# Altium PCB as_x31.PcbDoc (part 5 of 5)
Units mm, origin at the board's own origin, x right, y up, seen from the top; angles counter-clockwise.
Board outline 130 x 100 mm, 6 copper layers (Top Layer, Ground_1, Power_1, Mid_1, Ground_2, Bottom Layer), stack 0.928 mm thick; 402 components, 373 nets, 2529 pads, 1429 vias.
Unrouted connection lines stored in the file: 648.
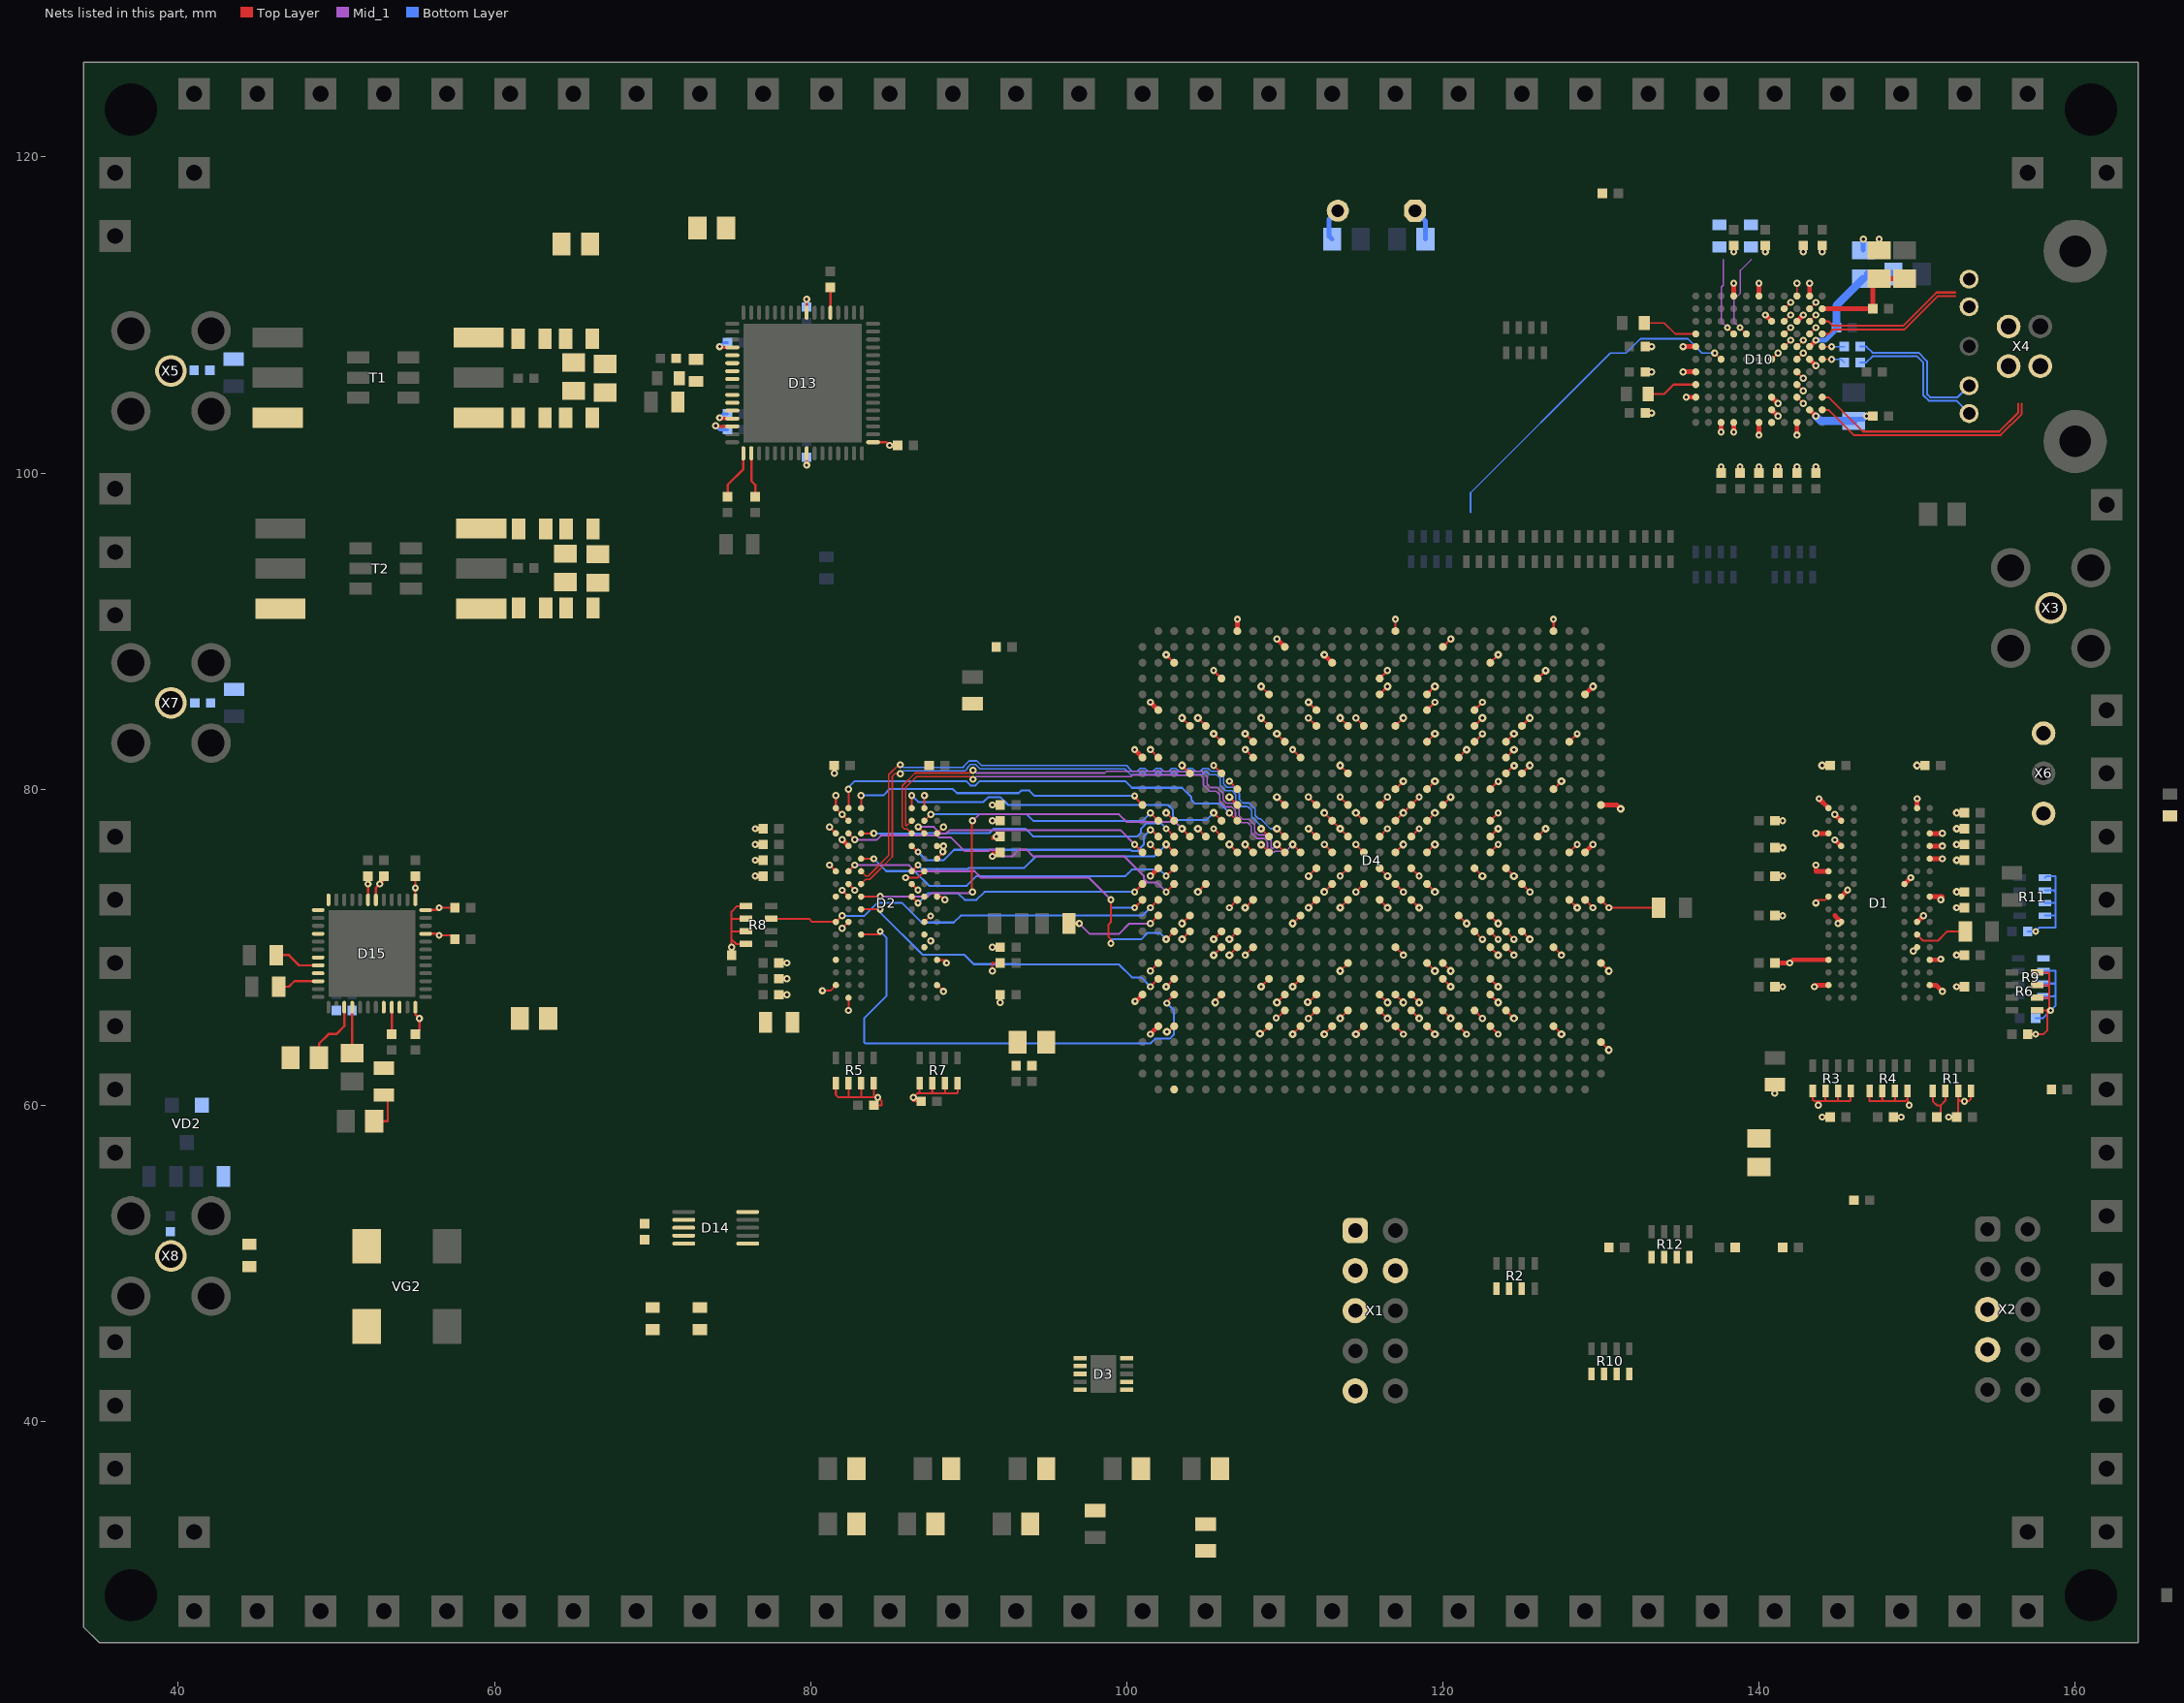
[diagram p8: the nets of this part, all layers, seen from the top]

## Via types
v1: diameter 0.45, hole 0.2, Top Layer to Bottom Layer, 1034 vias
v2: diameter 0.5, hole 0.2, Top Layer to Bottom Layer, 395 vias

## Nets (pads, with @x,y where several pads share a name; then routed paths per layer and width w, separated by ;. In a path a pad name is that pad's centre, name@x,y a point inside that pad or via, vN(x,y) a via of type N, cw(c..) or ccw(c..) an arc to the next point about the centre after c; other vN are vias at no path point) (continued)
DDR1_DQ0: D2.E3 D4.C15 | length 21.3
  Top Layer w0.125: D2.E3@83.2,75.6 v1(84,75.6) ; v1(102.5,74.5) D4.C15@103,75
  Bottom Layer w0.125: v1(84,75.6) 84.787,74.813 86.575,74.813 87.5,73.887 89.887,73.887 90.5,74.5 99.917,74.5 100.087,74.671 100.329,74.912 102.088,74.912 v1(102.5,74.5)
DDR1_DQ1: D2.F7 D4.C16 | length 17.7
  Top Layer w0.125: D2.F7@86.4,74.8 v1(86.8,75.2) ; v2(102.5,76.5) D4.C16@103,76
  Bottom Layer w0.125: v1(86.8,75.2) 87.038,74.962 89.962,74.962 90,75 93.5,75 94.25,75.75 101.75,75.75 v2(102.5,76.5)
DDR1_DQ2: D2.F2 D4.C11 | length 25.4
  Top Layer w0.125: D2.F2@82.4,74.8 v1(82.8,75.2) ; v1(99,70.25) 99,70.5 98.837,70.663 98.837,71.421 99,71.583 v1(99,73) ; v2(102.5,70.5) D4.C11@103,71
  Mid_1 w0.125: v1(82.8,75.2) 83.817,75.2 83.829,75.187 84.171,75.187 85.429,75.188 86.229,75.187 86.629,74.787 86.971,74.787 86.996,74.813 90.371,74.813 90.783,74.4 97.6,74.4 v1(99,73)
  Bottom Layer w0.125: v1(99,70.25) 99,70.5 100.917,70.5 101.329,70.913 102.088,70.913 v2(102.5,70.5)
DDR1_DQ3: D2.F8 D4.A13 | length 3.6
  Top Layer w0.125: v1(86.022,74.4) 86.778,74.4 86.803,74.425 86.803,74.403 D2.F8@87.2,74.8 ; v1(100.5,72.5) D4.A13@101,73
  Bottom Layer w0.125: 99,72.5 v1(100.5,72.5)
DDR1_DQ4: D2.H3 D4.D17 | length 26.3
  Top Layer w0.125: D2.H3@83.2,73.2 84.4,73.2 v1(84.4,73.225) ; v1(90.25,73.5) 90.187,73.563 90.187,77.937 v1(90.25,78) ; v2(103.5,77.5) D4.D17@104,77
  Mid_1 w0.125: v1(84.4,73.225) 84.413,73.212 86.629,73.212 87.429,73.213 87.629,73.412 90.162,73.412 v1(90.25,73.5) ; v1(90.25,78) 90.663,78.413 99.513,78.413 100.012,77.913 103.088,77.913 v2(103.5,77.5)
DDR1_DQ5: D2.H8 D4.E17 | length 0.7
  Top Layer w0.125: v2(104.5,77.5) D4.E17@105,77
DDR1_DQ6: D2.G2 D4.D12 | length 1.3
  Top Layer w0.125: D2.G2@82.4,74 v1(82.8,73.6) ; v2(103.5,71.5) D4.D12@104,72
DDR1_DQ7: D2.H7 D4.A14 | length 15.6
  Top Layer w0.125: D2.H7@86.4,73.2 v1(86.8,72.8) ; v1(100.5,73.5) D4.A14@101,74
  Bottom Layer w0.125: v1(86.8,72.8) 87.412,73.412 89.338,73.412 89.75,73 90.5,73 91,73.5 v1(100.5,73.5)
DDR1_DQ8: D2.D7 D4.B17 | length 17.4
  Top Layer w0.125: D2.D7@86.4,76.4 86.797,76.003 v1(86.797,76.025) ; v1(101.5,77.425) 101.5,77.5 D4.B17@102,77
  Bottom Layer w0.125: v1(86.797,76.025) 87.322,75.5 88.417,75.5 88.779,75.863 89.079,76.162 100.254,76.162 100.329,76.088 100.671,76.088 101.088,76.504 101.088,77.013 v1(101.5,77.425)
DDR1_DQ9: D2.C3 D4.C17 | length 21
  Top Layer w0.125: D2.C3@83.2,77.2 v1(84,77.2) ; v1(102.5,77.5) D4.C17@103,77
  Bottom Layer w0.125: v1(84,77.2) 87.417,77.2 87.429,77.213 88.204,77.213 88.229,77.187 88.571,77.187 88.596,77.212 91.304,77.212 91.591,77.5 93.583,77.5 94.071,77.013 100.671,77.013 100.912,77.254 100.912,77.5 101.25,77.838 102.163,77.838 v1(102.5,77.5)
DDR1_DQ10: D2.C8 D4.A16 | length 15.6
  Top Layer w0.125: v1(86.81,77.612) 87.2,77.222 D2.C8@87.2,77.2 ; v1(100.5,76.5) D4.A16@101,76
  Mid_1 w0.125: v1(86.81,77.612) 87.804,77.612 88.229,77.187 88.571,77.187 88.796,77.413 99.587,77.413 v1(100.5,76.5)
DDR1_DQ11: D2.C2 D4.C14 | length 23.1
  Top Layer w0.125: D2.C2@82.4,77.2 v1(82.8,76.8) ; v1(102.5,73.5) D4.C14@103,74
  Mid_1 w0.125: v1(82.8,76.8) 82.813,76.787 84.171,76.787 84.446,77.063 88,77.063 88.125,76.937 88.891,76.937 89.75,76.078 91.245,76.078 91.329,76.162 91.671,76.162 92.083,75.75 92.75,75.75 93.162,76.162 93.671,76.162 94.083,75.75 99.833,75.75 101.088,74.496 101.088,74.329 101.329,74.087 101.913,74.087 v1(102.5,73.5)
DDR1_DQ12: D2.A7 D4.F18 | length 22
  Top Layer w0.125: D2.A7@86.4,78.8 v1(86.4,79.6) ; v2(105.5,78.5) D4.F18@106,78
  Bottom Layer w0.125: v1(86.4,79.6) 86.813,79.187 90.937,79.187 91.25,79.5 92,79.5 92.5,79 102.619,79 102.938,78.681 102.938,78.187 103.063,78.063 105.063,78.063 v2(105.5,78.5)
DDR1_DQ13: D2.A2 D4.G18 | length 27.4
  Top Layer w0.125: D2.A2@82.4,78.8 v1(82.4,80) ; v1(106.5,78.5) D4.G18@107,78
  Bottom Layer w0.125: v1(82.4,80) 82.4,80.113 82.8,80.513 89.839,80.513 90.114,80.237 90.436,80.237 90.711,80.513 99.904,80.513 100.329,80.088 103.496,80.088 104.088,79.496 104.088,79.329 104.329,79.088 105.913,79.088 v1(106.5,78.5)
DDR1_DQ14: D2.B8 D4.B18 | length 15.6
  Top Layer w0.125: D2.B8@87.2,78 87.6,78.4 v1(87.612,78.4) ; v1(101.5,78.5) D4.B18@102,78
  Bottom Layer w0.125: v1(87.612,78.4) 87.625,78.413 90.8,78.413 93.329,78.412 ; 93.329,78.413 93.671,78.413 94.083,78 101,78 v1(101.5,78.5)
DDR1_DQ15: D2.A3 D4.A19 | length 19.4
  Top Layer w0.125: D2.A3@83.2,78.8 v1(83.2,79.6) ; v1(100.5,79.575) 100.5,79.5 D4.A19@101,79
  Bottom Layer w0.125: v1(83.2,79.6) 84.6,79.6 85.013,80.013 89,80.013 89.262,79.75 93.167,79.75 93.329,79.912 93.838,79.912 94.175,79.575 v1(100.5,79.575)
DDR1_DQS0_N: D2.G3 D4.J17 | length 35.5
  Top Layer w0.1: D2.G3@83.2,74 83.49,74.29 83.741,74.29 85.17,75.719 85.17,80.825 85.32,80.975 v1(85.675,80.975)
  Top Layer w0.125: v2(108.5,77.5) D4.J17@109,77
  Bottom Layer w0.1: v1(85.675,80.975) 85.85,81.15 89.771,81.15 89.9,81.279 89.9,81.35 90.12,81.57 90.43,81.57 90.72,81.28 99.905,81.28 99.905,81.254 100.254,80.905 100.746,80.905 100.941,81.1 101.059,81.1 101.254,80.905 101.746,80.905 101.941,81.1 102.059,81.1 102.254,80.905 102.746,80.905 102.941,81.1 103.023,81.1 103.243,80.88 103.757,80.88 103.977,81.1 104.059,81.1 104.254,80.905 104.746,80.905 104.941,81.1 105.059,81.1 105.254,80.905 105.684,80.905 105.905,80.684 105.905,80.254 106.254,79.905 106.565,79.905 106.57,79.9 106.666,79.9 106.9,79.666 106.9,79.57 106.905,79.565 106.905,79.254 107.254,78.905 107.565,78.905 107.57,78.9 107.666,78.9 107.9,78.666 107.9,78.375 107.905,78.37 107.905,78.254 108.5,77.659 v2(108.5,77.5)
DDR1_DQS0_P: D2.F3 D4.K17 | length 36.7
  Top Layer w0.1: D2.F3@83.2,74.8 83.49,74.51 83.65,74.51 84.95,75.81 84.95,80.916 85.579,81.545 v1(85.675,81.545)
  Top Layer w0.125: v2(109.5,77.5) D4.K17@110,77
  Bottom Layer w0.1: v1(85.675,81.545) 85.85,81.37 89.68,81.37 89.68,81.441 90.029,81.79 90.521,81.79 90.811,81.5 99.996,81.5 100.125,81.371 100.125,81.345 100.345,81.125 100.655,81.125 100.85,81.32 101.15,81.32 101.345,81.125 101.655,81.125 101.85,81.32 102.15,81.32 102.345,81.125 102.655,81.125 102.85,81.32 103.114,81.32 103.334,81.1 103.666,81.1 103.886,81.32 104.15,81.32 104.345,81.125 104.655,81.125 104.85,81.32 105.15,81.32 105.345,81.125 105.775,81.125 106.125,80.775 106.125,80.345 106.345,80.125 106.752,80.125 107.125,79.752 107.125,79.345 107.345,79.125 107.752,79.125 108.125,78.752 108.125,78.345 108.345,78.125 108.469,78.125 109.094,77.5 v2(109.5,77.5)
DDR1_DQS1_N: D2.B7 D4.L16 | length 32.1
  Top Layer w0.1: D2.B7@86.4,78 86.11,77.71 86.025,77.71 86.025,80.125 86.7,80.8 90.1,80.8 v1(90.275,80.625)
  Top Layer w0.125: v2(110.5,76.5) D4.L16@111,76
  Mid_1 w0.1: v1(90.275,80.625) 90.45,80.8 100.27,80.8 100.37,80.9 103.223,80.9 103.243,80.88 103.757,80.88 103.777,80.9 104.286,80.9 104.289,80.904 104.646,80.904 104.65,80.9 104.666,80.9 104.86,80.706 104.86,80.247 105.223,79.884 105.239,79.884 105.243,79.88 105.554,79.88 105.559,79.875 105.655,79.875 105.875,79.655 105.875,79.559 105.88,79.554 105.88,79.243 106.243,78.88 106.554,78.88 106.559,78.875 106.655,78.875 106.875,78.655 106.875,78.559 106.88,78.554 106.88,78.243 107.243,77.88 107.554,77.88 107.559,77.875 107.655,77.875 107.875,77.655 107.875,77.559 107.88,77.554 107.88,77.243 108.243,76.88 108.686,76.88 108.9,76.666 108.9,76.65 108.905,76.644 108.905,76.313 108.9,76.308 108.9,76.225 109.114,76.011 109.322,76.011 109.386,76.075 110.075,76.075 v2(110.5,76.5)
DDR1_DQS1_P: D2.C7 D4.K16 | length 31.7
  Top Layer w0.1: D2.C7@86.4,77.2 86.11,77.49 85.934,77.49 85.805,77.619 85.805,80.216 86.609,81.02 90.1,81.02 v1(90.275,81.195)
  Top Layer w0.125: v2(109.5,76.5) D4.K16@110,76
  Mid_1 w0.1: v1(90.275,81.195) 90.45,81.02 98.625,81.02 98.725,81.12 103.314,81.12 103.334,81.1 103.666,81.1 103.69,81.124 104.753,81.124 105.1,80.777 105.1,80.689 105.08,80.67 105.08,80.338 105.314,80.104 105.33,80.104 105.334,80.1 105.741,80.1 106.1,79.741 106.1,79.334 106.334,79.1 106.741,79.1 107.1,78.741 107.1,78.334 107.334,78.1 107.741,78.1 108.1,77.741 108.1,77.334 108.334,77.1 108.777,77.1 109.125,76.752 109.125,76.311 109.206,76.231 109.231,76.231 v2(109.5,76.5)
DDR1_ODT: D2.K1 D4.B13 R8.7 | length 26.2
  Top Layer w0.125: R8.7@77.5,71.8 79.9,71.8 80.1,71.6 D2.K1@81.6,71.6 v1(82,72) ; v1(101.5,72.5) D4.B13@102,73
  Bottom Layer w0.125: v1@82.017,71.983 83.4,71.983 84.229,72.813 84.571,72.813 84.596,72.813 85.771,72.813 87.021,71.563 89.062,71.563 89.5,72 101,72 101.087,72.087 v1(101.5,72.5)
DDR1_RAS: D2.J3 D4.B8 | length 22.1
  Top Layer w0.125: D2.J3@83.2,72.4 v1(84.4,72.4) ; v1(101.5,67.5) D4.B8@102,68
  Bottom Layer w0.125: v1(84.4,72.4) 84.4,72.217 87.104,69.513 89.737,69.513 90.323,68.927 92.986,68.927 ; 92.024,68.912 99.504,68.912 100.329,68.087 100.913,68.087 v1(101.5,67.5)
DDR1_RESET_N: D2.T2 D4.B22 R18.2 | length 1.5
  Top Layer w0.125: v1(82.4,66) D2.T2@82.4,66.8 ; v1(101.5,82.5) D4.B22@102,82
DDR1_WE: D2.L3 D4.C7 | length 32
  Top Layer w0.125: D2.L3@83.2,70.8 84.4,70.8 v1(84.4,71) ; v1(102.542,66.458) 102.5,66.5 D4.C7@103,67
  Bottom Layer w0.125: v1(84.4,71) 84.812,70.587 84.812,66.925 83.387,65.5 83.387,64 83.475,63.913 101.496,63.913 101.799,64.216 102.718,64.216 103,64.497 103,66 v1(102.542,66.458)
FPGA_CONF_DONE: D4.L8 D10.D3 R31.2 | length 1.3
  Top Layer w0.1: D10.D3@141.6,109.6 v1(142,110)
  Top Layer w0.125: v2(110.5,67.5) D4.L8@111,68
FPGA_DATA0: D4.AG5 D10.D5 | length 1.3
  Top Layer w0.125: D4.AG5@127,65 v2(127.5,64.5) ; D10.D5@141.6,108 v1(142,108.4)
FPGA_DCLK: D4.T7 D10.D4 R32.2 | length 1.3
  Top Layer w0.1: D10.D4@141.6,108.8 v1(142,109.2)
  Top Layer w0.125: D4.T7@116,67 v2(116.5,66.5)
FPGA_NCONFIG: D4.C5 D10.C1 R30.2 | length 1.7
  Top Layer w0.1: D10.C1@142.4,111.2 v1(142.4,112)
  Top Layer w0.125: v2(102.537,64.653) 102.509,64.625 102.509,64.509 102.5,64.5 D4.C5@103,65
FPGA_NSTATUS: D4.K7 D10.D2 | length 1.3
  Top Layer w0.1: D10.D2@141.6,110.4 v1(142,110.8)
  Top Layer w0.125: v2(109.5,66.5) D4.K7@110,67
NetC1_2: C1.2 R1.1 R1.2 | length 3.1
  Top Layer w0.125: R1.1@151,60.9 151,60.25 151.25,60 151.5,60 ; C1.2@151.25,59.25 151.5,59.5 151.5,60 ; R1.2@151.8,60.9 151.8,60.3 151.5,60
NetC2_2: C2.2 R2.1 R2.2
NetC21_2: C21.2 C22.2 D2.H1
NetC43_2: C43.2 D3.6
NetC60_2: C60.2 D3.1 R19.1 R20.2
NetC70_2: C70.2 C71.2 C72.2 C73.2 C74.2 D4.AB6 D4.AB23 D4.J8 D4.J24 D4.K6 D4.P6 D4.V6 D4.Y8 L3.1 | length 5.7
  Top Layer w0.125: v2(108.5,67.5) D4.J8@109,68 ; v2(108.5,84.5) D4.J24@109,84 ; v1(109.455,65.528) 109.472,65.528 109.5,65.5 D4.K6@110,66 ; v2(113.5,65.5) D4.P6@114,66 ; D4.V6@118,66 v2(118.5,65.5) ; D4.Y8@120,68 v2(120.5,67.5) ; D4.AB6@122,66 v1(122.5,65.5) ; D4.AB23@122,83 v1(122.5,83.5)
NetC151_1: C151.1 D7.13
NetC151_2: C151.2 D7.11 D7.12 L7.1
NetC157_2: C157.2 R43.1
NetC158_2: C158.2 D6.22 R43.2
NetC161_2: C161.2 D7.9
NetC164_2: C164.2 R48.1
NetC165_2: C165.2 D6.3 R48.2
NetC166_2: C166.2 R46.2
NetC170_1: C170.1 D8.13
NetC170_2: C170.2 D8.11 D8.12 L9.1
NetC177_2: C177.2 D8.9
NetC178_2: C178.2 R55.2
NetC179_1: C179.1 D10.E11 R57.1
NetC180_2: C180.2 D10.A5 | length 1.4
  Top Layer w0.1: D10.A5@144,108 v1(144.6,108)
  Bottom Layer w0.1: v1(144.6,108) C180.2@145.4,108
NetC181_2: C181.2 D10.A6 | length 1.5
  Top Layer w0.1: D10.A6@144,107.2 v1(144.6,107.2)
  Bottom Layer w0.1: v1(144.6,107.2) 145.2,107.2 C181.2@145.4,107
NetC182_2: C182.2 D10.C7 ZQ1.1 | length 2.6
  Top Layer w0.1: D10.C7@142.4,106.4 v1(142.8,106)
  Bottom Layer w0.3: ZQ1.1@118.24,116.6 118.9,115.94 C182.2@118.9,114.8
NetC183_2: C183.2 D10.C6 ZQ1.2 | length 2.7
  Top Layer w0.1: D10.C6@142.4,107.2 v1(142.8,107.6)
  Bottom Layer w0.3: C183.2@113,114.8 112.8,115 112.8,116.04 ZQ1.2@113.36,116.6
NetC187_2: C187.2 D10.C5 R81.1 | length 0.6
  Top Layer w0.1: D10.C5@142.4,108 v1(142.8,108.4)
NetC215_1: C215.1 X5.1
NetC215_2: C215.2 R87.2 T1.4
NetC216_1: C216.1 R89.1 R90.2
NetC216_2: C216.2 R85.1 R86.2
NetC217_1: C217.1 D13.38 R90.1
NetC217_2: C217.2 D13.37 R86.1
NetC219_1: C219.1 C223.1 D14.10 R92.2
NetC219_2: C219.2 D14.3 D14.4 R91.1 R92.1
NetC222_2: C222.2 D13.49 | length 3.2
  Top Layer w0.15: C222.2@74.75,98.5 74.75,99.25 75.75,100.25 D13.49@75.75,101.25
NetC224_2: C224.2 D13.50 | length 2.9
  Top Layer w0.15: D13.50@76.25,101.25 76.25,99.5 76.5,99.25 C224.2@76.5,98.5
NetC225_1: C225.1 X7.1
NetC225_2: C225.2 R98.2 T2.4
NetC226_1: C226.1 R100.1 R101.2
NetC226_2: C226.2 R96.1 R97.2
NetC227_1: C227.1 D13.43 R101.1
NetC227_2: C227.2 D13.44 R97.1
NetC236_2: C236.2 D15.12 | length 1.9
  Top Layer w0.15: C236.2@55,64.5 55.25,64.75 v1(55.25,65.5) 55,65.75 D15.12@55,66.2
NetC237_2: C237.2 C238.2 C239.2 C240.2 C241.2 D15.10 D15.21 D15.24 D15.25 D15.30 D15.31 D15.36 D15.37 D15.40 D15.43 D15.45 L15.1 L16.2 | length 8.6
  Top Layer w0.15: D15.31@52,73 52,73.75 v1(52,74) C237.2@52,74.5 ; D15.30@52.5,73 52.5,73.75 v1(52.75,74) 53,74.25 C241.2@53,74.5 ; D15.25@55,73 v1(55,73.75) C238.2@55,74.5 ; D15.21@55.65,70.85 56.4,70.85 v1(56.5,70.75) 57.25,70.75 C240.2@57.5,70.5 ; D15.24@55.65,72.35 56.35,72.35 v1(56.5,72.5) C239.2@57.5,72.5
NetC242_1: C242.1 X8.1
NetC243_2: C243.2 C244.2 D15.3 L16.1 | length 4.2
  Top Layer w0.15: L16.1@48.9,63 48.9,63.9 49.5,64.5 50,64.5 50.5,65 D15.3@50.5,66.2
NetC245_2: C245.2 D15.9 | length 1.7
  Top Layer w0.15: C245.2@53.5,64.5 D15.9@53.5,66.2
NetC246_2: C246.2 R107.2 | length 2.6
  Top Layer w0.15: C246.2@52.4,59 53.25,59 53.25,60.4 R107.2@53,60.65
NetC247_2: C247.2 D15.4 D15.8 R107.1 | length 2.9
  Top Layer w0.15: C247.2@51,63.3 D15.4@51,66.2
NetD1_L8: D1.L8 R13.1 | length 3.5
  Top Layer w0.125: D1.L8@150,70.8 150.388,70.413 151.329,70.413 151.917,71 R13.1@153.05,71
NetD2_L8: D2.L8 R14.1
NetD4_AD23: D4.AD23 R22.1 | length 0.7
  Top Layer w0.125: D4.AD23@124,83 v2(124.5,83.5)
NetD4_AK13: D4.AK13 R24.1 | length 3.9
  Top Layer w0.125: D4.AK13@130,73.075 D4.AK13@130,73 v1(130.5,72.5) R24.1@133.65,72.5
NetD4_B12: D4.B12 R23.1 | length 6.4
  Top Layer w0.125: R23.1@96.35,71.5 v1(97,71.5) ; v1(101.5,71.5) D4.B12@102,72
  Mid_1 w0.125: v1(97,71.5) 97.663,70.837 99.504,70.837 100.167,71.5 v1(101.5,71.5)
NetD4_C1: D4.C1 R39.1
NetD4_M7: D4.M7 R29.1 | length 0.8
  Top Layer w0.125: v2(111.455,66.528) 111.505,66.528 111.505,66.505 111.5,66.5 D4.M7@112,67
NetD4_P9: D4.P9 R28.1 | length 0.7
  Top Layer w0.125: v2(113.5,68.5) D4.P9@114,69
NetD5_6: D5.6 R36.1 R37.1 R38.2
NetD5_7: D5.7 R34.1 R35.1 R36.2
NetD6_2: D6.2 R47.1 R49.2
NetD6_8: D6.8 D6.9 L8.1
NetD6_16: D6.16 D6.17 L6.1
NetD6_23: D6.23 R40.1 R42.1
NetD7_1: D7.1 R45.1
NetD7_7: D7.7 R41.1 R44.2
NetD7_8: D7.8 R46.1
NetD8_1: D8.1 R53.1
NetD8_7: D8.7 R50.1 R52.2
NetD8_8: D8.8 R55.1
NetD9_5: D9.5 R56.1
NetD9_9: D9.9 R51.1 R54.2
NetD10_B2: D10.B2 R59.2 | length 0.6
  Top Layer w0.1: D10.B2@143.2,110.4 v1(143.6,110.8)
NetD10_B3: D10.B3 R68.1 | length 0.6
  Top Layer w0.1: D10.B3@143.2,109.6 v1(143.6,110)
NetD10_B4: D10.B4 R61.2 | length 0.6
  Top Layer w0.1: D10.B4@143.2,108.8 v1(143.6,109.2)
NetD10_C8: D10.C8 R109.1 | length 0.6
  Top Layer w0.1: D10.C8@142.4,105.6 v1(142.8,105.2)
NetD10_C9: D10.C9 R60.1 | length 0.6
  Top Layer w0.1: D10.C9@142.4,104.8 v1(142.8,104.4)
NetD10_E6: D10.E6 R62.2 | length 0.6
  Top Layer w0.1: D10.E6@140.8,107.2 v1(141.2,107.6)
NetD10_G4: D10.G4 R77.1 | length 5.5
  Top Layer w0.1: v1(138.8,109.2) D10.G4@139.2,108.8
  Mid_1 w0.1: v1(138.8,109.2) 138.425,109.575 138.425,110.975 138.825,111.375 138.825,112.825 139.5,113.5
NetD10_H4: D10.H4 R78.1 | length 5.1
  Top Layer w0.1: v1(138,109.2) D10.H4@138.4,108.8
  Mid_1 w0.1: 137.75,113.5 137.75,111.88 137.625,111.755 137.625,109.575 v1(138,109.2)
NetD10_L4: D10.L4 R79.1 | length 3.5
  Top Layer w0.1: R79.1@132.75,109.5 134,109.5 134.7,108.8 D10.L4@136,108.8
NetD10_L8: D10.L8 R80.1 | length 3.2
  Top Layer w0.15: R80.1@133,105 134.001,105 134.601,105.6 D10.L8@136,105.6
NetD12_5: D12.5 R84.1
NetD12_9: D12.9 R82.1 R83.2
NetD13_40: D13.40 R88.2 R93.1
NetD13_42: D13.42 R95.1
NetD14_5: D14.5 X6.1
NetD14_6: D14.6 X6.3
NetD15_44: D15.44 R105.1 | length 2.9
  Top Layer w0.15: R105.1@46.2,69.5 47,69.5 47.65,68.85 D15.44@48.85,68.85
NetD15_46: D15.46 R106.1 | length 2.6
  Top Layer w0.15: R106.1@46.35,67.5 47,67.5 47.35,67.85 D15.46@48.85,67.85
NetR57_2: R57.2 X4.1
NetR85_2: R85.2 T1.3
NetR89_2: R89.2 T1.1
NetR96_2: R96.2 T2.3
NetR100_2: R100.2 T2.1
NetR102_2: R102.2 VG2.1
NetR108_2: R108.2 VG1.1
NetVD1_2: VD1.2 X3.1
PCLK: D10.J6 | length 21.7
  Top Layer w0.1: v1(137.2,107.6) D10.J6@137.6,107.2
  Bottom Layer w0.1: 121.75,97.5 121.75,98.75 130.6,107.6 131.6,107.6 132.5,108.5 135.5,108.5 136.4,107.6 v1(137.2,107.6)
PG1P1: D7.14 D8.10
SS_RX_N: D10.A3 X4.8 | length 9.4
  Top Layer w0.125: D10.A3@144,109.6 144.4,109.6 144.687,109.313 149.113,109.313 151.225,111.425 152.4,111.425
SS_RX_P: D10.A4 X4.9 | length 9.4
  Top Layer w0.125: D10.A4@144,108.8 144.4,108.8 144.687,109.088 149.206,109.088 151.318,111.2 152.4,111.2
SS_TX_N: C181.1 X4.5 | length 9.8
  Bottom Layer w0.125: C181.1@146.4,107 146.8,107 147.187,107.387 150,107.387 150.4,106.988 150.4,104.907 150.732,104.575 152.485,104.575 X4.5@153.29,103.77
SS_TX_P: C180.1 X4.6 | length 9.7
  Bottom Layer w0.125: C180.1@146.4,108 146.8,108 147.187,107.613 150.093,107.613 150.625,107.081 150.625,105 150.825,104.8 152.57,104.8 X4.6@153.29,105.52
TCK: D4.AC7 R26.2 R33.2 X1.1 | length 0.7
  Top Layer w0.125: D4.AC7@123,67 v2(123.5,66.5)
TDI: D4.U7 R27.1 X1.9 | length 0.7
  Top Layer w0.125: D4.U7@117,67 v2(117.5,66.5)
TDO: D4.W9 X1.3 | length 0.7
  Top Layer w0.125: D4.W9@119,69 v2(119.5,68.5)
TMS: D4.V7 R25.2 X1.5 | length 0.7
  Top Layer w0.125: D4.V7@118,67 v2(118.5,66.5)
TTL_RX: D5.1
TTL_TX: D5.4
TTL_TX_EN: D5.2 D5.3
U3RXVDDQ: C185.2 C186.2 D10.A2 L10.2 | length 6.9
  Top Layer w0.3: D10.A2@144,110.4 C185.2@147.2,110.4 147.2,111.9 L10.2@147.6,112.3 C186.2@149.2,112.3
U3TXVDDQ: C188.2 C189.2 D10.B5 L11.2 | length 7.6
  Top Layer w0.3: D10.B5@143.2,108 v1(143.6,108.4)
  Bottom Layer w0.3: v1(143.6,108.4) 144.2,108.4 C188.2@144.9,109.1
  Bottom Layer w0.5: C188.2@144.9,109.2 144.9,110.6 L11.2@146.6,112.3 ; L11.2@146.9,112.6 C189.2@148.5,112.6
USB_N: D10.A10 X4.2 | length 14.5
  Top Layer w0.125: D10.A10@144,104 144.4,104 146,102.4 155.293,102.4 156.625,103.732 156.625,104.4
USB_P: D10.A9 X4.3 | length 14.4
  Top Layer w0.125: D10.A9@144,104.8 144.4,104.8 146.575,102.625 155.2,102.625 156.4,103.825 156.4,104.4
V0P75D: C39.2 C40.2 C41.2 D3.3 D3.5 L1.1 L2.1
V1P1D: C63.2 C64.2 C65.2 C66.2 C67.2 C68.2 C69.2 C75.2 C76.2 C77.2 C78.2 C79.2 C80.2 C81.2 C87.2 C88.2 C89.2 C90.2 C91.2 C92.2 C93.2 C94.2 C153.1 C154.1 C155.1 C156.1 D4.AA5 D4.AC5 D4.AD6 D4.J5 D4.L5 D4.M6 D4.M13 D4.M15 D4.M17 D4.M19 D4.N5 D4.N14 D4.N16 D4.N18 D4.P13 D4.P15 D4.P17 D4.P19 D4.R5 D4.R14 D4.R16 D4.R18 D4.T6 D4.T13 D4.T15 D4.T17 D4.T19 D4.U5 D4.U14 D4.U16 D4.U18 D4.U20 D4.V13 D4.V15 D4.V17 D4.V19 D4.W5 D4.W14 D4.W16 D4.W18 D4.W20 D4.Y6 L7.2 R41.2 | length 35.4
  Top Layer w0.125: v2(108.43,64.528) 108.472,64.528 108.5,64.5 D4.J5@109,65 ; v2(110.5,64.5) D4.L5@111,65 ; v1(111.5,65.5) D4.M6@112,66 ; v2(111.5,72.5) D4.M13@112,73 ; v2(111.5,74.5) D4.M15@112,75 ; v2(111.5,77.5) D4.M17@112,77 ; v1(111.5,79.5) D4.M19@112,79 ; v2(112.5,64.5) D4.N5@113,65 ; v2(112.5,73.5) D4.N14@113,74 ; v1(112.5,76.5) D4.N16@113,76 ; v2(112.5,78.5) D4.N18@113,78 113.2,77.8 v2(113.5,77.5) ; v2(113.5,72.5) D4.P13@114,73 ; v1(113.5,74.5) D4.P15@114,75 ; v1(113.5,79.5) D4.P19@114,79 ; v2(114.5,64.5) D4.R5@115,65 ; v1(114.5,73.5) D4.R14@115,74 ; v1(114.5,76.5) D4.R16@115,76 ; v2(114.5,78.5) D4.R18@115,78 ; D4.T6@116,66 v2(116.5,65.5) ; D4.T13@116,73 v2(116.5,72.5) ; D4.T15@116,75 v2(116.5,74.5) ; D4.T17@116,77 v1(116.5,77.5) ; D4.T19@116,79 v1(116.5,79.5) ; D4.U5@117,65 v1(117.5,64.5) ; D4.U14@117,74 v1(117.5,73.5) ; D4.U16@117,76 v2(117.5,76.5) ; D4.U20@117,80 v2(117.5,80.5) ; v2(117.5,78.5) D4.U18@117,78 ; D4.V13@118,73 v2(118.5,72.5) ; D4.V15@118,75 v1(118.5,74.5) ; D4.V17@118,77 v1(118.5,77.5) ; v1(118.5,79.5) D4.V19@118,79 ; D4.W5@119,65 v2(119.5,64.5) ; D4.W14@119,74 v2(119.5,73.5) ; D4.W16@119,76 v2(119.5,76.5) ; D4.W18@119,78 v2(119.5,78.5) ; D4.W20@119,80 v2(119.5,80.5) ; D4.Y6@120,66 v2(120.5,65.5) ; D4.AA5@121,65 v1(121.5,64.5) ; D4.AC5@123,65 v1(123.5,64.5) ; D4.AD6@124,66 v2(124.5,65.5) ; v2(113.5,77.5) D4.P17@114,77 v2(113.5,77.5) ; D4.U18@117,78 D4.V19@118,79 ; D4.U18@117,78 D4.V19@118,79 ; D4.U18@117,78 D4.V19@118,79